# KiCad board rabbit_mask.kicad_pcb (continued)
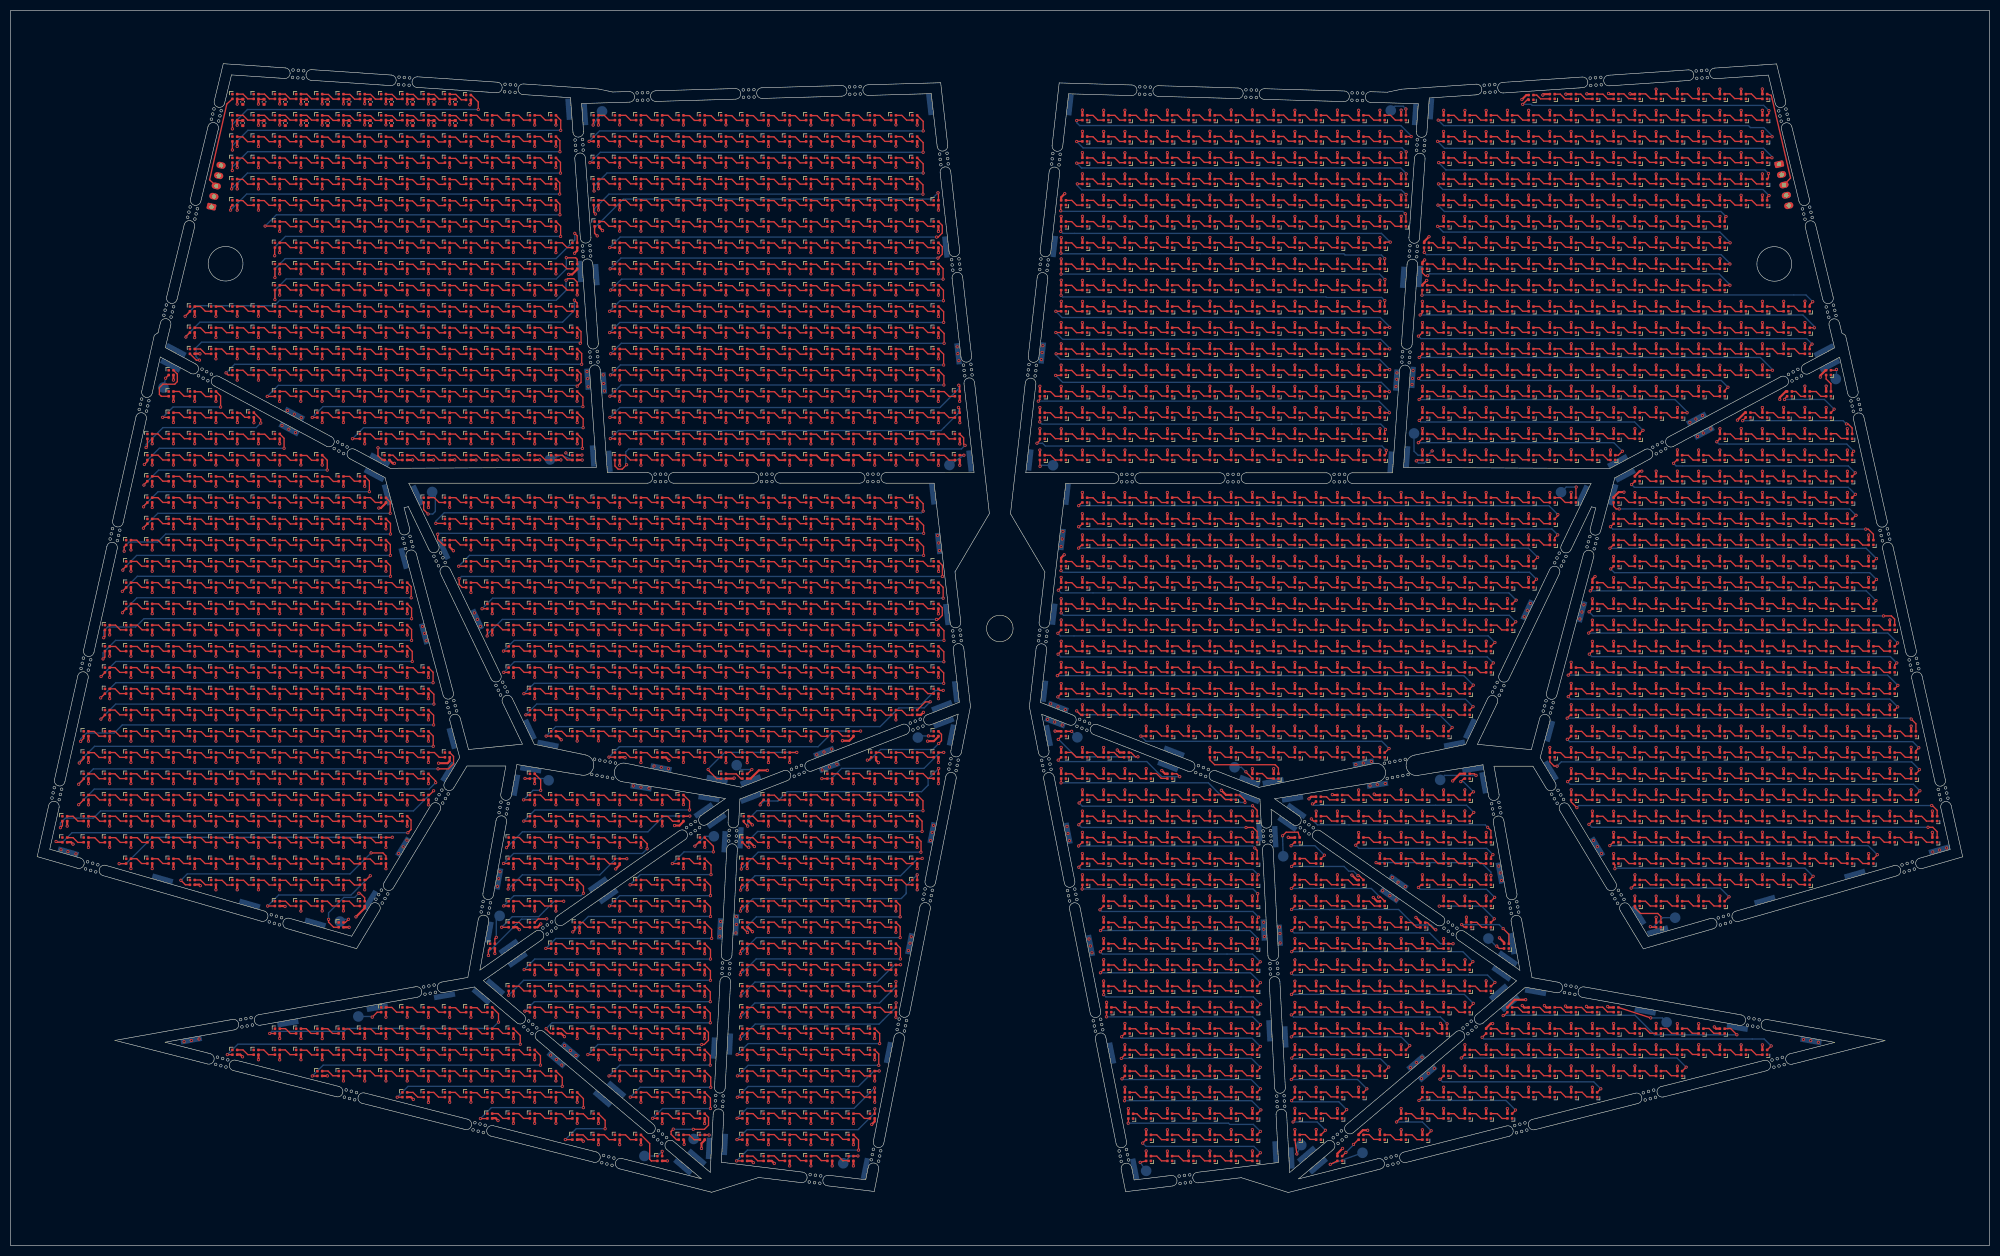
[diagram p0: board, top side]
## Placement (name value [footprint] x y rotation side) (continued)
D734  SK6812-1515  [LED_SK6812_EC15_1.5x1.5mm]  166.2 128.36 0 top
D735  SK6812-1515  [LED_SK6812_EC15_1.5x1.5mm]  170.2 128.36 0 top
D736  SK6812-1515  [LED_SK6812_EC15_1.5x1.5mm]  174.2 128.36 0 top
D737  SK6812-1515  [LED_SK6812_EC15_1.5x1.5mm]  22.2 124.36 0 top
D738  SK6812-1515  [LED_SK6812_EC15_1.5x1.5mm]  26.2 124.36 0 top
D739  SK6812-1515  [LED_SK6812_EC15_1.5x1.5mm]  30.2 124.36 0 top
D740  SK6812-1515  [LED_SK6812_EC15_1.5x1.5mm]  34.2 124.36 0 top
D741  SK6812-1515  [LED_SK6812_EC15_1.5x1.5mm]  38.2 124.36 0 top
D742  SK6812-1515  [LED_SK6812_EC15_1.5x1.5mm]  42.2 124.36 0 top
D743  SK6812-1515  [LED_SK6812_EC15_1.5x1.5mm]  46.2 124.36 0 top
D744  SK6812-1515  [LED_SK6812_EC15_1.5x1.5mm]  50.2 124.36 0 top
D745  SK6812-1515  [LED_SK6812_EC15_1.5x1.5mm]  54.2 124.36 0 top
D746  SK6812-1515  [LED_SK6812_EC15_1.5x1.5mm]  58.2 124.36 0 top
D747  SK6812-1515  [LED_SK6812_EC15_1.5x1.5mm]  62.2 124.36 0 top
D748  SK6812-1515  [LED_SK6812_EC15_1.5x1.5mm]  66.2 124.36 0 top
D749  SK6812-1515  [LED_SK6812_EC15_1.5x1.5mm]  70.2 124.36 0 top
D750  SK6812-1515  [LED_SK6812_EC15_1.5x1.5mm]  74.2 124.36 0 top
D751  SK6812-1515  [LED_SK6812_EC15_1.5x1.5mm]  86.2 124.36 0 top
D752  SK6812-1515  [LED_SK6812_EC15_1.5x1.5mm]  90.2 124.36 0 top
D753  SK6812-1515  [LED_SK6812_EC15_1.5x1.5mm]  94.2 124.36 0 top
D754  SK6812-1515  [LED_SK6812_EC15_1.5x1.5mm]  98.2 124.36 0 top
D755  SK6812-1515  [LED_SK6812_EC15_1.5x1.5mm]  102.2 124.36 0 top
D756  SK6812-1515  [LED_SK6812_EC15_1.5x1.5mm]  106.2 124.36 0 top
D757  SK6812-1515  [LED_SK6812_EC15_1.5x1.5mm]  110.2 124.36 0 top
D758  SK6812-1515  [LED_SK6812_EC15_1.5x1.5mm]  114.2 124.36 0 top
D759  SK6812-1515  [LED_SK6812_EC15_1.5x1.5mm]  118.2 124.36 0 top
D760  SK6812-1515  [LED_SK6812_EC15_1.5x1.5mm]  122.2 124.36 0 top
D761  SK6812-1515  [LED_SK6812_EC15_1.5x1.5mm]  126.2 124.36 0 top
D762  SK6812-1515  [LED_SK6812_EC15_1.5x1.5mm]  130.2 124.36 0 top
D763  SK6812-1515  [LED_SK6812_EC15_1.5x1.5mm]  134.2 124.36 0 top
D764  SK6812-1515  [LED_SK6812_EC15_1.5x1.5mm]  138.2 124.36 0 top
D765  SK6812-1515  [LED_SK6812_EC15_1.5x1.5mm]  142.2 124.36 0 top
D766  SK6812-1515  [LED_SK6812_EC15_1.5x1.5mm]  146.2 124.36 0 top
D767  SK6812-1515  [LED_SK6812_EC15_1.5x1.5mm]  150.2 124.36 0 top
D768  SK6812-1515  [LED_SK6812_EC15_1.5x1.5mm]  154.2 124.36 0 top
D769  SK6812-1515  [LED_SK6812_EC15_1.5x1.5mm]  158.2 124.36 0 top
D770  SK6812-1515  [LED_SK6812_EC15_1.5x1.5mm]  162.2 124.36 0 top
D771  SK6812-1515  [LED_SK6812_EC15_1.5x1.5mm]  166.2 124.36 0 top
D772  SK6812-1515  [LED_SK6812_EC15_1.5x1.5mm]  170.2 124.36 0 top
D773  SK6812-1515  [LED_SK6812_EC15_1.5x1.5mm]  174.2 124.36 0 top
D774  SK6812-1515  [LED_SK6812_EC15_1.5x1.5mm]  22.2 120.36 0 top
D775  SK6812-1515  [LED_SK6812_EC15_1.5x1.5mm]  26.2 120.36 0 top
D776  SK6812-1515  [LED_SK6812_EC15_1.5x1.5mm]  30.2 120.36 0 top
D777  SK6812-1515  [LED_SK6812_EC15_1.5x1.5mm]  34.2 120.36 0 top
D778  SK6812-1515  [LED_SK6812_EC15_1.5x1.5mm]  38.2 120.36 0 top
D779  SK6812-1515  [LED_SK6812_EC15_1.5x1.5mm]  42.2 120.36 0 top
D780  SK6812-1515  [LED_SK6812_EC15_1.5x1.5mm]  46.2 120.36 0 top
D781  SK6812-1515  [LED_SK6812_EC15_1.5x1.5mm]  50.2 120.36 0 top
D782  SK6812-1515  [LED_SK6812_EC15_1.5x1.5mm]  54.2 120.36 0 top
D783  SK6812-1515  [LED_SK6812_EC15_1.5x1.5mm]  58.2 120.36 0 top
D784  SK6812-1515  [LED_SK6812_EC15_1.5x1.5mm]  62.2 120.36 0 top
D785  SK6812-1515  [LED_SK6812_EC15_1.5x1.5mm]  66.2 120.36 0 top
D786  SK6812-1515  [LED_SK6812_EC15_1.5x1.5mm]  70.2 120.36 0 top
D787  SK6812-1515  [LED_SK6812_EC15_1.5x1.5mm]  74.2 120.36 0 top
D788  SK6812-1515  [LED_SK6812_EC15_1.5x1.5mm]  90.2 120.36 0 top
D789  SK6812-1515  [LED_SK6812_EC15_1.5x1.5mm]  94.2 120.36 0 top
D790  SK6812-1515  [LED_SK6812_EC15_1.5x1.5mm]  98.2 120.36 0 top
D791  SK6812-1515  [LED_SK6812_EC15_1.5x1.5mm]  102.2 120.36 0 top
D792  SK6812-1515  [LED_SK6812_EC15_1.5x1.5mm]  106.2 120.36 0 top
D793  SK6812-1515  [LED_SK6812_EC15_1.5x1.5mm]  110.2 120.36 0 top
D794  SK6812-1515  [LED_SK6812_EC15_1.5x1.5mm]  114.2 120.36 0 top
D795  SK6812-1515  [LED_SK6812_EC15_1.5x1.5mm]  118.2 120.36 0 top
D796  SK6812-1515  [LED_SK6812_EC15_1.5x1.5mm]  122.2 120.36 0 top
D797  SK6812-1515  [LED_SK6812_EC15_1.5x1.5mm]  126.2 120.36 0 top
D798  SK6812-1515  [LED_SK6812_EC15_1.5x1.5mm]  130.2 120.36 0 top
D799  SK6812-1515  [LED_SK6812_EC15_1.5x1.5mm]  134.2 120.36 0 top
D800  SK6812-1515  [LED_SK6812_EC15_1.5x1.5mm]  138.2 120.36 0 top
D801  SK6812-1515  [LED_SK6812_EC15_1.5x1.5mm]  142.2 120.36 0 top
D802  SK6812-1515  [LED_SK6812_EC15_1.5x1.5mm]  146.2 120.36 0 top
D803  SK6812-1515  [LED_SK6812_EC15_1.5x1.5mm]  150.2 120.36 0 top
D804  SK6812-1515  [LED_SK6812_EC15_1.5x1.5mm]  154.2 120.36 0 top
D805  SK6812-1515  [LED_SK6812_EC15_1.5x1.5mm]  158.2 120.36 0 top
D806  SK6812-1515  [LED_SK6812_EC15_1.5x1.5mm]  162.2 120.36 0 top
D807  SK6812-1515  [LED_SK6812_EC15_1.5x1.5mm]  166.2 120.36 0 top
D808  SK6812-1515  [LED_SK6812_EC15_1.5x1.5mm]  170.2 120.36 0 top
D809  SK6812-1515  [LED_SK6812_EC15_1.5x1.5mm]  174.2 120.36 0 top
D810  SK6812-1515  [LED_SK6812_EC15_1.5x1.5mm]  18.2 116.36 0 top
D811  SK6812-1515  [LED_SK6812_EC15_1.5x1.5mm]  22.2 116.36 0 top
D812  SK6812-1515  [LED_SK6812_EC15_1.5x1.5mm]  26.2 116.36 0 top
D813  SK6812-1515  [LED_SK6812_EC15_1.5x1.5mm]  30.2 116.36 0 top
D814  SK6812-1515  [LED_SK6812_EC15_1.5x1.5mm]  34.2 116.36 0 top
D815  SK6812-1515  [LED_SK6812_EC15_1.5x1.5mm]  38.2 116.36 0 top
D816  SK6812-1515  [LED_SK6812_EC15_1.5x1.5mm]  42.2 116.36 0 top
D817  SK6812-1515  [LED_SK6812_EC15_1.5x1.5mm]  46.2 116.36 0 top
D818  SK6812-1515  [LED_SK6812_EC15_1.5x1.5mm]  50.2 116.36 0 top
D819  SK6812-1515  [LED_SK6812_EC15_1.5x1.5mm]  54.2 116.36 0 top
D820  SK6812-1515  [LED_SK6812_EC15_1.5x1.5mm]  58.2 116.36 0 top
D821  SK6812-1515  [LED_SK6812_EC15_1.5x1.5mm]  62.2 116.36 0 top
D822  SK6812-1515  [LED_SK6812_EC15_1.5x1.5mm]  66.2 116.36 0 top
D823  SK6812-1515  [LED_SK6812_EC15_1.5x1.5mm]  70.2 116.36 0 top
D824  SK6812-1515  [LED_SK6812_EC15_1.5x1.5mm]  74.2 116.36 0 top
D825  SK6812-1515  [LED_SK6812_EC15_1.5x1.5mm]  90.2 116.36 0 top
D826  SK6812-1515  [LED_SK6812_EC15_1.5x1.5mm]  94.2 116.36 0 top
D827  SK6812-1515  [LED_SK6812_EC15_1.5x1.5mm]  98.2 116.36 0 top
D828  SK6812-1515  [LED_SK6812_EC15_1.5x1.5mm]  102.2 116.36 0 top
D829  SK6812-1515  [LED_SK6812_EC15_1.5x1.5mm]  106.2 116.36 0 top
D830  SK6812-1515  [LED_SK6812_EC15_1.5x1.5mm]  110.2 116.36 0 top
D831  SK6812-1515  [LED_SK6812_EC15_1.5x1.5mm]  114.2 116.36 0 top
D832  SK6812-1515  [LED_SK6812_EC15_1.5x1.5mm]  118.2 116.36 0 top
D833  SK6812-1515  [LED_SK6812_EC15_1.5x1.5mm]  122.2 116.36 0 top
D834  SK6812-1515  [LED_SK6812_EC15_1.5x1.5mm]  126.2 116.36 0 top
D835  SK6812-1515  [LED_SK6812_EC15_1.5x1.5mm]  130.2 116.36 0 top
D836  SK6812-1515  [LED_SK6812_EC15_1.5x1.5mm]  134.2 116.36 0 top
D837  SK6812-1515  [LED_SK6812_EC15_1.5x1.5mm]  138.2 116.36 0 top
D838  SK6812-1515  [LED_SK6812_EC15_1.5x1.5mm]  142.2 116.36 0 top
D839  SK6812-1515  [LED_SK6812_EC15_1.5x1.5mm]  146.2 116.36 0 top
D840  SK6812-1515  [LED_SK6812_EC15_1.5x1.5mm]  150.2 116.36 0 top
D841  SK6812-1515  [LED_SK6812_EC15_1.5x1.5mm]  154.2 116.36 0 top
D842  SK6812-1515  [LED_SK6812_EC15_1.5x1.5mm]  158.2 116.36 0 top
D843  SK6812-1515  [LED_SK6812_EC15_1.5x1.5mm]  162.2 116.36 0 top
D844  SK6812-1515  [LED_SK6812_EC15_1.5x1.5mm]  166.2 116.36 0 top
D845  SK6812-1515  [LED_SK6812_EC15_1.5x1.5mm]  170.2 116.36 0 top
D846  SK6812-1515  [LED_SK6812_EC15_1.5x1.5mm]  174.2 116.36 0 top
D847  SK6812-1515  [LED_SK6812_EC15_1.5x1.5mm]  18.2 112.36 0 top
D848  SK6812-1515  [LED_SK6812_EC15_1.5x1.5mm]  22.2 112.36 0 top
D849  SK6812-1515  [LED_SK6812_EC15_1.5x1.5mm]  26.2 112.36 0 top
D850  SK6812-1515  [LED_SK6812_EC15_1.5x1.5mm]  30.2 112.36 0 top
D851  SK6812-1515  [LED_SK6812_EC15_1.5x1.5mm]  34.2 112.36 0 top
D852  SK6812-1515  [LED_SK6812_EC15_1.5x1.5mm]  38.2 112.36 0 top
D853  SK6812-1515  [LED_SK6812_EC15_1.5x1.5mm]  42.2 112.36 0 top
D854  SK6812-1515  [LED_SK6812_EC15_1.5x1.5mm]  46.2 112.36 0 top
D855  SK6812-1515  [LED_SK6812_EC15_1.5x1.5mm]  50.2 112.36 0 top
D856  SK6812-1515  [LED_SK6812_EC15_1.5x1.5mm]  54.2 112.36 0 top
D857  SK6812-1515  [LED_SK6812_EC15_1.5x1.5mm]  58.2 112.36 0 top
D858  SK6812-1515  [LED_SK6812_EC15_1.5x1.5mm]  62.2 112.36 0 top
D859  SK6812-1515  [LED_SK6812_EC15_1.5x1.5mm]  66.2 112.36 0 top
D860  SK6812-1515  [LED_SK6812_EC15_1.5x1.5mm]  70.2 112.36 0 top
D861  SK6812-1515  [LED_SK6812_EC15_1.5x1.5mm]  74.2 112.36 0 top
D862  SK6812-1515  [LED_SK6812_EC15_1.5x1.5mm]  94.2 112.36 0 top
D863  SK6812-1515  [LED_SK6812_EC15_1.5x1.5mm]  98.2 112.36 0 top
D864  SK6812-1515  [LED_SK6812_EC15_1.5x1.5mm]  102.2 112.36 0 top
D865  SK6812-1515  [LED_SK6812_EC15_1.5x1.5mm]  106.2 112.36 0 top
D866  SK6812-1515  [LED_SK6812_EC15_1.5x1.5mm]  110.2 112.36 0 top
D867  SK6812-1515  [LED_SK6812_EC15_1.5x1.5mm]  114.2 112.36 0 top
D868  SK6812-1515  [LED_SK6812_EC15_1.5x1.5mm]  118.2 112.36 0 top
D869  SK6812-1515  [LED_SK6812_EC15_1.5x1.5mm]  122.2 112.36 0 top
D870  SK6812-1515  [LED_SK6812_EC15_1.5x1.5mm]  126.2 112.36 0 top
D871  SK6812-1515  [LED_SK6812_EC15_1.5x1.5mm]  130.2 112.36 0 top
D872  SK6812-1515  [LED_SK6812_EC15_1.5x1.5mm]  134.2 112.36 0 top
D873  SK6812-1515  [LED_SK6812_EC15_1.5x1.5mm]  138.2 112.36 0 top
D874  SK6812-1515  [LED_SK6812_EC15_1.5x1.5mm]  142.2 112.36 0 top
D875  SK6812-1515  [LED_SK6812_EC15_1.5x1.5mm]  146.2 112.36 0 top
D876  SK6812-1515  [LED_SK6812_EC15_1.5x1.5mm]  150.2 112.36 0 top
D877  SK6812-1515  [LED_SK6812_EC15_1.5x1.5mm]  154.2 112.36 0 top
D878  SK6812-1515  [LED_SK6812_EC15_1.5x1.5mm]  158.2 112.36 0 top
D879  SK6812-1515  [LED_SK6812_EC15_1.5x1.5mm]  162.2 112.36 0 top
D880  SK6812-1515  [LED_SK6812_EC15_1.5x1.5mm]  166.2 112.36 0 top
D881  SK6812-1515  [LED_SK6812_EC15_1.5x1.5mm]  170.2 112.36 0 top
D882  SK6812-1515  [LED_SK6812_EC15_1.5x1.5mm]  174.2 112.36 0 top
D883  SK6812-1515  [LED_SK6812_EC15_1.5x1.5mm]  18.2 108.36 0 top
D884  SK6812-1515  [LED_SK6812_EC15_1.5x1.5mm]  22.2 108.36 0 top
D885  SK6812-1515  [LED_SK6812_EC15_1.5x1.5mm]  26.2 108.36 0 top
D886  SK6812-1515  [LED_SK6812_EC15_1.5x1.5mm]  30.2 108.36 0 top
D887  SK6812-1515  [LED_SK6812_EC15_1.5x1.5mm]  34.2 108.36 0 top
D888  SK6812-1515  [LED_SK6812_EC15_1.5x1.5mm]  38.2 108.36 0 top
D889  SK6812-1515  [LED_SK6812_EC15_1.5x1.5mm]  42.2 108.36 0 top
D890  SK6812-1515  [LED_SK6812_EC15_1.5x1.5mm]  46.2 108.36 0 top
D891  SK6812-1515  [LED_SK6812_EC15_1.5x1.5mm]  50.2 108.36 0 top
D892  SK6812-1515  [LED_SK6812_EC15_1.5x1.5mm]  54.2 108.36 0 top
D893  SK6812-1515  [LED_SK6812_EC15_1.5x1.5mm]  58.2 108.36 0 top
D894  SK6812-1515  [LED_SK6812_EC15_1.5x1.5mm]  62.2 108.36 0 top
D895  SK6812-1515  [LED_SK6812_EC15_1.5x1.5mm]  66.2 108.36 0 top
D896  SK6812-1515  [LED_SK6812_EC15_1.5x1.5mm]  70.2 108.36 0 top
D897  SK6812-1515  [LED_SK6812_EC15_1.5x1.5mm]  74.2 108.36 0 top
D898  SK6812-1515  [LED_SK6812_EC15_1.5x1.5mm]  78.2 108.36 0 top
D899  SK6812-1515  [LED_SK6812_EC15_1.5x1.5mm]  94.2 108.36 0 top
D900  SK6812-1515  [LED_SK6812_EC15_1.5x1.5mm]  98.2 108.36 0 top
D901  SK6812-1515  [LED_SK6812_EC15_1.5x1.5mm]  102.2 108.36 0 top
D902  SK6812-1515  [LED_SK6812_EC15_1.5x1.5mm]  106.2 108.36 0 top
D903  SK6812-1515  [LED_SK6812_EC15_1.5x1.5mm]  110.2 108.36 0 top
D904  SK6812-1515  [LED_SK6812_EC15_1.5x1.5mm]  114.2 108.36 0 top
D905  SK6812-1515  [LED_SK6812_EC15_1.5x1.5mm]  118.2 108.36 0 top
D906  SK6812-1515  [LED_SK6812_EC15_1.5x1.5mm]  122.2 108.36 0 top
D907  SK6812-1515  [LED_SK6812_EC15_1.5x1.5mm]  126.2 108.36 0 top
D908  SK6812-1515  [LED_SK6812_EC15_1.5x1.5mm]  130.2 108.36 0 top
D909  SK6812-1515  [LED_SK6812_EC15_1.5x1.5mm]  134.2 108.36 0 top
D910  SK6812-1515  [LED_SK6812_EC15_1.5x1.5mm]  138.2 108.36 0 top
D911  SK6812-1515  [LED_SK6812_EC15_1.5x1.5mm]  142.2 108.36 0 top
D912  SK6812-1515  [LED_SK6812_EC15_1.5x1.5mm]  146.2 108.36 0 top
D913  SK6812-1515  [LED_SK6812_EC15_1.5x1.5mm]  150.2 108.36 0 top
D914  SK6812-1515  [LED_SK6812_EC15_1.5x1.5mm]  154.2 108.36 0 top
D915  SK6812-1515  [LED_SK6812_EC15_1.5x1.5mm]  158.2 108.36 0 top
D916  SK6812-1515  [LED_SK6812_EC15_1.5x1.5mm]  162.2 108.36 0 top
D917  SK6812-1515  [LED_SK6812_EC15_1.5x1.5mm]  166.2 108.36 0 top
D918  SK6812-1515  [LED_SK6812_EC15_1.5x1.5mm]  170.2 108.36 0 top
D919  SK6812-1515  [LED_SK6812_EC15_1.5x1.5mm]  174.2 108.36 0 top
D920  SK6812-1515  [LED_SK6812_EC15_1.5x1.5mm]  18.2 104.36 0 top
D921  SK6812-1515  [LED_SK6812_EC15_1.5x1.5mm]  22.2 104.36 0 top
D922  SK6812-1515  [LED_SK6812_EC15_1.5x1.5mm]  26.2 104.36 0 top
D923  SK6812-1515  [LED_SK6812_EC15_1.5x1.5mm]  30.2 104.36 0 top
D924  SK6812-1515  [LED_SK6812_EC15_1.5x1.5mm]  34.2 104.36 0 top
D925  SK6812-1515  [LED_SK6812_EC15_1.5x1.5mm]  38.2 104.36 0 top
D926  SK6812-1515  [LED_SK6812_EC15_1.5x1.5mm]  42.2 104.36 0 top
D927  SK6812-1515  [LED_SK6812_EC15_1.5x1.5mm]  46.2 104.36 0 top
D928  SK6812-1515  [LED_SK6812_EC15_1.5x1.5mm]  50.2 104.36 0 top
D929  SK6812-1515  [LED_SK6812_EC15_1.5x1.5mm]  54.2 104.36 0 top
D930  SK6812-1515  [LED_SK6812_EC15_1.5x1.5mm]  58.2 104.36 0 top
D931  SK6812-1515  [LED_SK6812_EC15_1.5x1.5mm]  62.2 104.36 0 top
D932  SK6812-1515  [LED_SK6812_EC15_1.5x1.5mm]  66.2 104.36 0 top
D933  SK6812-1515  [LED_SK6812_EC15_1.5x1.5mm]  70.2 104.36 0 top
D934  SK6812-1515  [LED_SK6812_EC15_1.5x1.5mm]  74.2 104.36 0 top
D935  SK6812-1515  [LED_SK6812_EC15_1.5x1.5mm]  78.2 104.36 0 top
D936  SK6812-1515  [LED_SK6812_EC15_1.5x1.5mm]  98.2 104.36 0 top
D937  SK6812-1515  [LED_SK6812_EC15_1.5x1.5mm]  102.2 104.36 0 top
D938  SK6812-1515  [LED_SK6812_EC15_1.5x1.5mm]  106.2 104.36 0 top
D939  SK6812-1515  [LED_SK6812_EC15_1.5x1.5mm]  110.2 104.36 0 top
D940  SK6812-1515  [LED_SK6812_EC15_1.5x1.5mm]  114.2 104.36 0 top
D941  SK6812-1515  [LED_SK6812_EC15_1.5x1.5mm]  118.2 104.36 0 top
D942  SK6812-1515  [LED_SK6812_EC15_1.5x1.5mm]  122.2 104.36 0 top
D943  SK6812-1515  [LED_SK6812_EC15_1.5x1.5mm]  126.2 104.36 0 top
D944  SK6812-1515  [LED_SK6812_EC15_1.5x1.5mm]  130.2 104.36 0 top
D945  SK6812-1515  [LED_SK6812_EC15_1.5x1.5mm]  134.2 104.36 0 top
D946  SK6812-1515  [LED_SK6812_EC15_1.5x1.5mm]  138.2 104.36 0 top
D947  SK6812-1515  [LED_SK6812_EC15_1.5x1.5mm]  142.2 104.36 0 top
D948  SK6812-1515  [LED_SK6812_EC15_1.5x1.5mm]  146.2 104.36 0 top
D949  SK6812-1515  [LED_SK6812_EC15_1.5x1.5mm]  150.2 104.36 0 top
D950  SK6812-1515  [LED_SK6812_EC15_1.5x1.5mm]  154.2 104.36 0 top
D951  SK6812-1515  [LED_SK6812_EC15_1.5x1.5mm]  158.2 104.36 0 top
D952  SK6812-1515  [LED_SK6812_EC15_1.5x1.5mm]  162.2 104.36 0 top
D953  SK6812-1515  [LED_SK6812_EC15_1.5x1.5mm]  166.2 104.36 0 top
D954  SK6812-1515  [LED_SK6812_EC15_1.5x1.5mm]  170.2 104.36 0 top
D955  SK6812-1515  [LED_SK6812_EC15_1.5x1.5mm]  174.2 104.36 0 top
D956  SK6812-1515  [LED_SK6812_EC15_1.5x1.5mm]  18.2 100.36 0 top
D957  SK6812-1515  [LED_SK6812_EC15_1.5x1.5mm]  22.2 100.36 0 top
D958  SK6812-1515  [LED_SK6812_EC15_1.5x1.5mm]  26.2 100.36 0 top
D959  SK6812-1515  [LED_SK6812_EC15_1.5x1.5mm]  30.2 100.36 0 top
D960  SK6812-1515  [LED_SK6812_EC15_1.5x1.5mm]  34.2 100.36 0 top
D961  SK6812-1515  [LED_SK6812_EC15_1.5x1.5mm]  38.2 100.36 0 top
D962  SK6812-1515  [LED_SK6812_EC15_1.5x1.5mm]  42.2 100.36 0 top
D963  SK6812-1515  [LED_SK6812_EC15_1.5x1.5mm]  46.2 100.36 0 top
D964  SK6812-1515  [LED_SK6812_EC15_1.5x1.5mm]  50.2 100.36 0 top
D965  SK6812-1515  [LED_SK6812_EC15_1.5x1.5mm]  54.2 100.36 0 top
D966  SK6812-1515  [LED_SK6812_EC15_1.5x1.5mm]  58.2 100.36 0 top
D967  SK6812-1515  [LED_SK6812_EC15_1.5x1.5mm]  62.2 100.36 0 top
D968  SK6812-1515  [LED_SK6812_EC15_1.5x1.5mm]  66.2 100.36 0 top
D969  SK6812-1515  [LED_SK6812_EC15_1.5x1.5mm]  70.2 100.36 0 top
D970  SK6812-1515  [LED_SK6812_EC15_1.5x1.5mm]  74.2 100.36 0 top
D971  SK6812-1515  [LED_SK6812_EC15_1.5x1.5mm]  78.2 100.36 0 top
D972  SK6812-1515  [LED_SK6812_EC15_1.5x1.5mm]  98.2 100.36 0 top
D973  SK6812-1515  [LED_SK6812_EC15_1.5x1.5mm]  102.2 100.36 0 top
D974  SK6812-1515  [LED_SK6812_EC15_1.5x1.5mm]  106.2 100.36 0 top
D975  SK6812-1515  [LED_SK6812_EC15_1.5x1.5mm]  110.2 100.36 0 top
D976  SK6812-1515  [LED_SK6812_EC15_1.5x1.5mm]  114.2 100.36 0 top
D977  SK6812-1515  [LED_SK6812_EC15_1.5x1.5mm]  118.2 100.36 0 top
D978  SK6812-1515  [LED_SK6812_EC15_1.5x1.5mm]  122.2 100.36 0 top
D979  SK6812-1515  [LED_SK6812_EC15_1.5x1.5mm]  126.2 100.36 0 top
D980  SK6812-1515  [LED_SK6812_EC15_1.5x1.5mm]  130.2 100.36 0 top
D981  SK6812-1515  [LED_SK6812_EC15_1.5x1.5mm]  134.2 100.36 0 top
D982  SK6812-1515  [LED_SK6812_EC15_1.5x1.5mm]  138.2 100.36 0 top
D983  SK6812-1515  [LED_SK6812_EC15_1.5x1.5mm]  142.2 100.36 0 top
D984  SK6812-1515  [LED_SK6812_EC15_1.5x1.5mm]  146.2 100.36 0 top
D985  SK6812-1515  [LED_SK6812_EC15_1.5x1.5mm]  150.2 100.36 0 top
D986  SK6812-1515  [LED_SK6812_EC15_1.5x1.5mm]  154.2 100.36 0 top
D987  SK6812-1515  [LED_SK6812_EC15_1.5x1.5mm]  158.2 100.36 0 top
D988  SK6812-1515  [LED_SK6812_EC15_1.5x1.5mm]  162.2 100.36 0 top
D989  SK6812-1515  [LED_SK6812_EC15_1.5x1.5mm]  166.2 100.36 0 top
D990  SK6812-1515  [LED_SK6812_EC15_1.5x1.5mm]  170.2 100.36 0 top
D991  SK6812-1515  [LED_SK6812_EC15_1.5x1.5mm]  14.2 96.36 0 top
D992  SK6812-1515  [LED_SK6812_EC15_1.5x1.5mm]  18.2 96.36 0 top
D993  SK6812-1515  [LED_SK6812_EC15_1.5x1.5mm]  22.2 96.36 0 top
D994  SK6812-1515  [LED_SK6812_EC15_1.5x1.5mm]  26.2 96.36 0 top
D995  SK6812-1515  [LED_SK6812_EC15_1.5x1.5mm]  30.2 96.36 0 top
D996  SK6812-1515  [LED_SK6812_EC15_1.5x1.5mm]  34.2 96.36 0 top
D997  SK6812-1515  [LED_SK6812_EC15_1.5x1.5mm]  38.2 96.36 0 top
D998  SK6812-1515  [LED_SK6812_EC15_1.5x1.5mm]  42.2 96.36 0 top
D999  SK6812-1515  [LED_SK6812_EC15_1.5x1.5mm]  46.2 96.36 0 top
D1000  SK6812-1515  [LED_SK6812_EC15_1.5x1.5mm]  50.2 96.36 0 top
D1001  SK6812-1515  [LED_SK6812_EC15_1.5x1.5mm]  54.2 96.36 0 top
D1002  SK6812-1515  [LED_SK6812_EC15_1.5x1.5mm]  58.2 96.36 0 top
D1003  SK6812-1515  [LED_SK6812_EC15_1.5x1.5mm]  62.2 96.36 0 top
D1004  SK6812-1515  [LED_SK6812_EC15_1.5x1.5mm]  66.2 96.36 0 top
D1005  SK6812-1515  [LED_SK6812_EC15_1.5x1.5mm]  70.2 96.36 0 top
D1006  SK6812-1515  [LED_SK6812_EC15_1.5x1.5mm]  74.2 96.36 0 top
D1007  SK6812-1515  [LED_SK6812_EC15_1.5x1.5mm]  78.2 96.36 0 top
D1008  SK6812-1515  [LED_SK6812_EC15_1.5x1.5mm]  102.2 96.36 0 top
D1009  SK6812-1515  [LED_SK6812_EC15_1.5x1.5mm]  106.2 96.36 0 top
D1010  SK6812-1515  [LED_SK6812_EC15_1.5x1.5mm]  110.2 96.36 0 top
D1011  SK6812-1515  [LED_SK6812_EC15_1.5x1.5mm]  114.2 96.36 0 top
D1012  SK6812-1515  [LED_SK6812_EC15_1.5x1.5mm]  118.2 96.36 0 top
D1013  SK6812-1515  [LED_SK6812_EC15_1.5x1.5mm]  122.2 96.36 0 top
D1014  SK6812-1515  [LED_SK6812_EC15_1.5x1.5mm]  126.2 96.36 0 top
D1015  SK6812-1515  [LED_SK6812_EC15_1.5x1.5mm]  130.2 96.36 0 top
D1016  SK6812-1515  [LED_SK6812_EC15_1.5x1.5mm]  134.2 96.36 0 top
D1017  SK6812-1515  [LED_SK6812_EC15_1.5x1.5mm]  138.2 96.36 0 top
D1018  SK6812-1515  [LED_SK6812_EC15_1.5x1.5mm]  142.2 96.36 0 top
D1019  SK6812-1515  [LED_SK6812_EC15_1.5x1.5mm]  146.2 96.36 0 top
D1020  SK6812-1515  [LED_SK6812_EC15_1.5x1.5mm]  150.2 96.36 0 top
D1021  SK6812-1515  [LED_SK6812_EC15_1.5x1.5mm]  154.2 96.36 0 top
D1022  SK6812-1515  [LED_SK6812_EC15_1.5x1.5mm]  158.2 96.36 0 top
D1023  SK6812-1515  [LED_SK6812_EC15_1.5x1.5mm]  174.2 96.36 0 top
D1024  SK6812-1515  [LED_SK6812_EC15_1.5x1.5mm]  14.2 92.36 0 top
D1025  SK6812-1515  [LED_SK6812_EC15_1.5x1.5mm]  18.2 92.36 0 top
D1026  SK6812-1515  [LED_SK6812_EC15_1.5x1.5mm]  22.2 92.36 0 top
D1027  SK6812-1515  [LED_SK6812_EC15_1.5x1.5mm]  26.2 92.36 0 top
D1028  SK6812-1515  [LED_SK6812_EC15_1.5x1.5mm]  30.2 92.36 0 top
D1029  SK6812-1515  [LED_SK6812_EC15_1.5x1.5mm]  34.2 92.36 0 top
D1030  SK6812-1515  [LED_SK6812_EC15_1.5x1.5mm]  38.2 92.36 0 top
D1031  SK6812-1515  [LED_SK6812_EC15_1.5x1.5mm]  42.2 92.36 0 top
D1032  SK6812-1515  [LED_SK6812_EC15_1.5x1.5mm]  46.2 92.36 0 top
D1033  SK6812-1515  [LED_SK6812_EC15_1.5x1.5mm]  50.2 92.36 0 top
D1034  SK6812-1515  [LED_SK6812_EC15_1.5x1.5mm]  54.2 92.36 0 top
D1035  SK6812-1515  [LED_SK6812_EC15_1.5x1.5mm]  58.2 92.36 0 top
D1036  SK6812-1515  [LED_SK6812_EC15_1.5x1.5mm]  62.2 92.36 0 top
D1037  SK6812-1515  [LED_SK6812_EC15_1.5x1.5mm]  66.2 92.36 0 top
D1038  SK6812-1515  [LED_SK6812_EC15_1.5x1.5mm]  70.2 92.36 0 top
D1039  SK6812-1515  [LED_SK6812_EC15_1.5x1.5mm]  74.2 92.36 0 top
D1040  SK6812-1515  [LED_SK6812_EC15_1.5x1.5mm]  78.2 92.36 0 top
D1041  SK6812-1515  [LED_SK6812_EC15_1.5x1.5mm]  82.2 92.36 0 top
D1042  SK6812-1515  [LED_SK6812_EC15_1.5x1.5mm]  114.2 92.36 0 top
D1043  SK6812-1515  [LED_SK6812_EC15_1.5x1.5mm]  118.2 92.36 0 top
D1044  SK6812-1515  [LED_SK6812_EC15_1.5x1.5mm]  122.2 92.36 0 top
D1045  SK6812-1515  [LED_SK6812_EC15_1.5x1.5mm]  126.2 92.36 0 top
D1046  SK6812-1515  [LED_SK6812_EC15_1.5x1.5mm]  130.2 92.36 0 top
D1047  SK6812-1515  [LED_SK6812_EC15_1.5x1.5mm]  134.2 92.36 0 top
D1048  SK6812-1515  [LED_SK6812_EC15_1.5x1.5mm]  138.2 92.36 0 top
D1049  SK6812-1515  [LED_SK6812_EC15_1.5x1.5mm]  142.2 92.36 0 top
D1050  SK6812-1515  [LED_SK6812_EC15_1.5x1.5mm]  146.2 92.36 0 top
D1051  SK6812-1515  [LED_SK6812_EC15_1.5x1.5mm]  162.45 92.36 0 top
D1052  SK6812-1515  [LED_SK6812_EC15_1.5x1.5mm]  166.2 92.36 0 top
D1053  SK6812-1515  [LED_SK6812_EC15_1.5x1.5mm]  170.2 92.36 0 top
D1054  SK6812-1515  [LED_SK6812_EC15_1.5x1.5mm]  174.2 92.36 0 top
D1055  SK6812-1515  [LED_SK6812_EC15_1.5x1.5mm]  14.2 88.36 0 top
D1056  SK6812-1515  [LED_SK6812_EC15_1.5x1.5mm]  18.2 88.36 0 top
D1057  SK6812-1515  [LED_SK6812_EC15_1.5x1.5mm]  22.2 88.36 0 top
D1058  SK6812-1515  [LED_SK6812_EC15_1.5x1.5mm]  26.2 88.36 0 top
D1059  SK6812-1515  [LED_SK6812_EC15_1.5x1.5mm]  30.2 88.36 0 top
D1060  SK6812-1515  [LED_SK6812_EC15_1.5x1.5mm]  34.2 88.36 0 top
D1061  SK6812-1515  [LED_SK6812_EC15_1.5x1.5mm]  38.2 88.36 0 top
D1062  SK6812-1515  [LED_SK6812_EC15_1.5x1.5mm]  42.2 88.36 0 top
D1063  SK6812-1515  [LED_SK6812_EC15_1.5x1.5mm]  46.2 88.36 0 top
D1064  SK6812-1515  [LED_SK6812_EC15_1.5x1.5mm]  50.2 88.36 0 top
D1065  SK6812-1515  [LED_SK6812_EC15_1.5x1.5mm]  54.2 88.36 0 top
D1066  SK6812-1515  [LED_SK6812_EC15_1.5x1.5mm]  58.2 88.36 0 top
D1067  SK6812-1515  [LED_SK6812_EC15_1.5x1.5mm]  62.2 88.36 0 top
D1068  SK6812-1515  [LED_SK6812_EC15_1.5x1.5mm]  66.2 88.36 0 top
D1069  SK6812-1515  [LED_SK6812_EC15_1.5x1.5mm]  70.2 88.36 0 top
D1070  SK6812-1515  [LED_SK6812_EC15_1.5x1.5mm]  74.2 88.36 0 top
D1071  SK6812-1515  [LED_SK6812_EC15_1.5x1.5mm]  78.2 88.36 0 top
D1072  SK6812-1515  [LED_SK6812_EC15_1.5x1.5mm]  98.2 88.36 0 top
D1073  SK6812-1515  [LED_SK6812_EC15_1.5x1.5mm]  134.2 88.36 0 top
D1074  SK6812-1515  [LED_SK6812_EC15_1.5x1.5mm]  138.2 88.36 0 top
D1075  SK6812-1515  [LED_SK6812_EC15_1.5x1.5mm]  154.2 88.36 0 top
D1076  SK6812-1515  [LED_SK6812_EC15_1.5x1.5mm]  158.2 88.36 0 top
D1077  SK6812-1515  [LED_SK6812_EC15_1.5x1.5mm]  162.2 88.36 0 top
D1078  SK6812-1515  [LED_SK6812_EC15_1.5x1.5mm]  166.2 88.36 0 top
D1079  SK6812-1515  [LED_SK6812_EC15_1.5x1.5mm]  170.2 88.36 0 top
D1080  SK6812-1515  [LED_SK6812_EC15_1.5x1.5mm]  174.2 88.36 0 top
D1081  SK6812-1515  [LED_SK6812_EC15_1.5x1.5mm]  14.2 84.36 0 top
D1082  SK6812-1515  [LED_SK6812_EC15_1.5x1.5mm]  18.2 84.36 0 top
D1083  SK6812-1515  [LED_SK6812_EC15_1.5x1.5mm]  22.2 84.36 0 top
D1084  SK6812-1515  [LED_SK6812_EC15_1.5x1.5mm]  26.2 84.36 0 top
D1085  SK6812-1515  [LED_SK6812_EC15_1.5x1.5mm]  30.2 84.36 0 top
D1086  SK6812-1515  [LED_SK6812_EC15_1.5x1.5mm]  34.2 84.36 0 top
D1087  SK6812-1515  [LED_SK6812_EC15_1.5x1.5mm]  38.2 84.36 0 top
D1088  SK6812-1515  [LED_SK6812_EC15_1.5x1.5mm]  42.2 84.36 0 top
D1089  SK6812-1515  [LED_SK6812_EC15_1.5x1.5mm]  46.2 84.36 0 top
D1090  SK6812-1515  [LED_SK6812_EC15_1.5x1.5mm]  50.2 84.36 0 top
D1091  SK6812-1515  [LED_SK6812_EC15_1.5x1.5mm]  54.2 84.36 0 top
D1092  SK6812-1515  [LED_SK6812_EC15_1.5x1.5mm]  58.2 84.36 0 top
D1093  SK6812-1515  [LED_SK6812_EC15_1.5x1.5mm]  62.2 84.36 0 top
D1094  SK6812-1515  [LED_SK6812_EC15_1.5x1.5mm]  66.2 84.36 0 top
D1095  SK6812-1515  [LED_SK6812_EC15_1.5x1.5mm]  70.2 84.36 0 top
D1096  SK6812-1515  [LED_SK6812_EC15_1.5x1.5mm]  74.2 84.36 0 top
D1097  SK6812-1515  [LED_SK6812_EC15_1.5x1.5mm]  78.2 84.36 0 top
D1098  SK6812-1515  [LED_SK6812_EC15_1.5x1.5mm]  98.2 84.36 0 top
D1099  SK6812-1515  [LED_SK6812_EC15_1.5x1.5mm]  102.2 84.36 0 top
D1100  SK6812-1515  [LED_SK6812_EC15_1.5x1.5mm]  106.2 84.36 0 top
D1101  SK6812-1515  [LED_SK6812_EC15_1.5x1.5mm]  110.2 84.36 0 top
D1102  SK6812-1515  [LED_SK6812_EC15_1.5x1.5mm]  114.2 84.36 0 top
D1103  SK6812-1515  [LED_SK6812_EC15_1.5x1.5mm]  118.2 84.36 0 top
D1104  SK6812-1515  [LED_SK6812_EC15_1.5x1.5mm]  122.2 84.36 0 top
D1105  SK6812-1515  [LED_SK6812_EC15_1.5x1.5mm]  126.2 84.36 0 top
D1106  SK6812-1515  [LED_SK6812_EC15_1.5x1.5mm]  142.2 84.36 0 top
D1107  SK6812-1515  [LED_SK6812_EC15_1.5x1.5mm]  146.2 84.36 0 top
D1108  SK6812-1515  [LED_SK6812_EC15_1.5x1.5mm]  150.2 84.36 0 top